# KiCad board d20_tri_r0.3_4x1.kicad_pcb (continued)
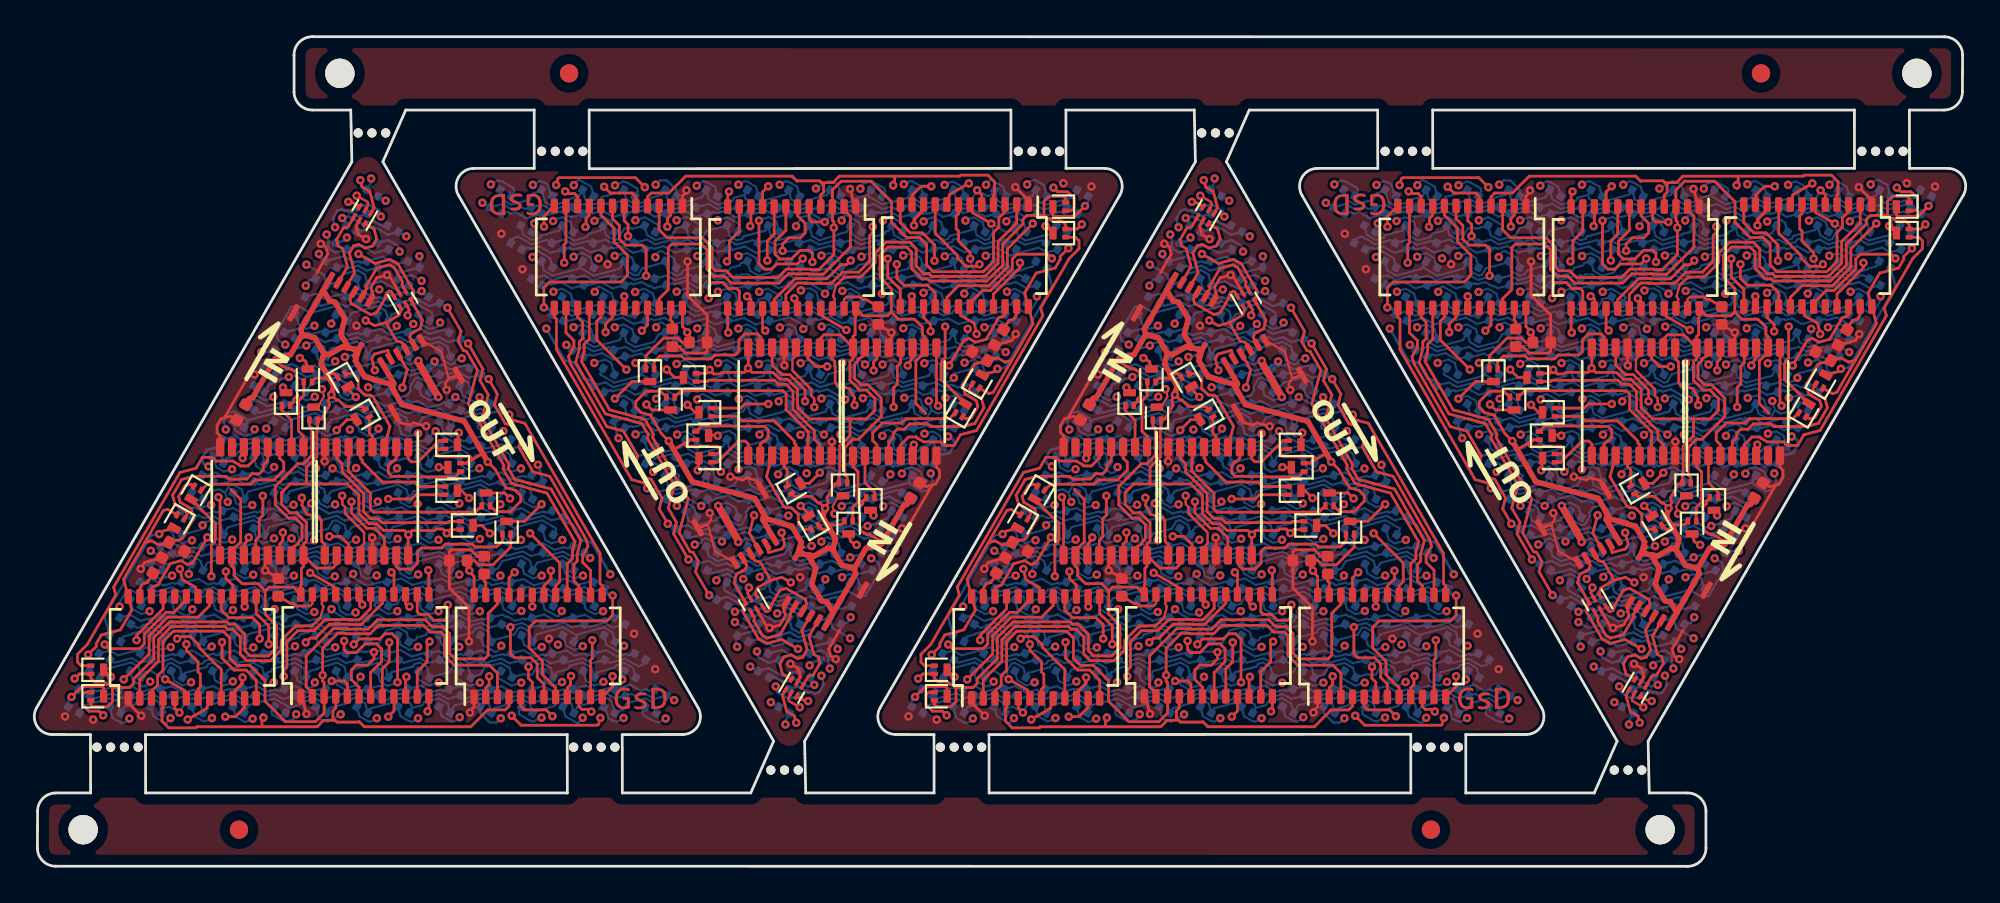
[diagram p0: board, top side]
## Routing (per net, layer and track width the routed paths; a pad name or vN(x,y) marks a point on that pad's centre or on a via; arc(x,y) is an arc through that point) (continued)
colb_13: length 122.9
  Top w0.15: U3#2.18 8.8,15.22 8.08,15.63 7.93,16.2 v1(7.94,16.22) ; U3#4.18 54.8,15.22 54.08,15.63 53.93,16.2 v1(53.94,16.22) ; U3#3.18 96.53,30.04 97.25,29.63 97.4,29.05 v1(97.39,29.03) ; U3.18 50.53,30.04 51.25,29.63 51.4,29.05 v1(51.39,29.03)
  In1.Cu w0.15: v1(15.95,34.46) 15.21,34.27 12.44,29.47 12.91,27.74 14.42,26.86 14.52,26.48 13.87,25.36 11.36,24.68 10.72,24.68 10.32,24.58 7.92,20.41 8.46,18.38 8.12,17.8 8.35,16.94 v1(7.94,16.22) ; v1(61.95,34.46) 61.21,34.27 58.44,29.47 58.91,27.74 60.42,26.86 60.52,26.48 59.87,25.36 57.36,24.68 56.72,24.68 56.32,24.58 53.92,20.41 54.46,18.38 54.12,17.8 54.35,16.94 v1(53.94,16.22) ; v1(89.39,10.79) 90.12,10.99 92.89,15.78 92.42,17.52 90.91,18.39 90.81,18.77 91.46,19.9 93.97,20.57 94.61,20.57 95.01,20.68 97.41,24.84 96.87,26.87 97.21,27.46 96.98,28.32 v1(97.39,29.03) ; v1(43.39,10.79) 44.12,10.99 46.89,15.78 46.42,17.52 44.91,18.39 44.81,18.77 45.46,19.9 47.97,20.57 48.61,20.57 49.01,20.68 51.41,24.84 50.87,26.87 51.21,27.46 50.98,28.32 v1(51.39,29.03)
  Bottom w0.127: D14.2 40.77,11.81 41.48,11.39 D30.2 42.92,11.78 43.23,11.6 43.31,11.28 43.27,11.21 v1(43.39,10.79) ; v1(15.95,34.46) 16.06,34.04 16.02,33.97 16.1,33.66 16.41,33.48 D30#2.2 17.85,33.86 18.56,33.45 D14#2.2 ; v1(61.95,34.46) 62.06,34.04 62.02,33.97 62.1,33.66 62.41,33.48 D30#4.2 63.85,33.86 64.56,33.45 D14#4.2 ; v1(89.39,10.79) 89.27,11.21 89.31,11.28 89.23,11.6 88.92,11.78 D30#3.2 87.48,11.39 86.77,11.81 D14#3.2
colb_14: length 143.8
  Top w0.15: U3#2.19 8.29,14.53 7.61,13.85 7.19,13.85 6,12.66 6,12.13 5.74,11.87 4.07,11.87 v1(3.84,12.1) ; U3#4.19 54.29,14.53 53.61,13.85 53.19,13.85 52,12.66 52,12.13 51.74,11.87 50.07,11.87 v1(49.84,12.1) ; U3#3.19 97.04,30.72 97.72,31.4 98.14,31.4 99.33,32.59 99.33,33.13 99.59,33.39 101.26,33.39 v1(101.49,33.16) ; U3.19 51.04,30.72 51.72,31.4 52.14,31.4 53.33,32.59 53.33,33.13 53.59,33.39 55.26,33.39 v1(55.49,33.16)
  In2.Cu w0.15: v1(3.84,12.1) 3.39,13.79 15.56,34.87 16.12,35.02 v1(16.4,34.86) ; v1(49.84,12.1) 49.39,13.79 61.56,34.87 62.12,35.02 v1(62.4,34.86) ; v1(101.49,33.16) 101.94,31.47 89.77,10.39 89.21,10.24 v1(88.93,10.4) ; v1(42.93,10.4) 43.21,10.24 43.77,10.39 55.94,31.47 v1(55.49,33.16)
  Bottom w0.127: D15.2 41.67,9.8 42.23,9.48 42.4,9.52 42.57,9.42 42.79,9.48 43.05,9.93 v1(42.93,10.4) ; D15#2.2 17.66,35.45 17.1,35.78 16.93,35.73 16.76,35.83 16.54,35.77 16.28,35.32 v1(16.4,34.86) ; D15#3.2 63.66,35.45 63.1,35.78 62.93,35.73 62.76,35.83 62.54,35.77 62.28,35.32 v1(62.4,34.86) ; D15#4.2 87.67,9.8 88.23,9.48 88.4,9.52 88.57,9.42 88.79,9.48 89.05,9.93 v1(88.93,10.4)
colg_0: length 142.7
  Top w0.15: U2#2.5 17.07,9.95 16.91,10.11 v1(16.22,10.11) ; U2#4.5 88.26,35.31 88.42,35.14 v1(89.11,35.14) ; v1(62.22,10.11) 62.91,10.11 63.07,9.95 U2#3.5 ; U2.5 42.26,35.31 42.42,35.14 v1(43.11,35.14)
  Bottom w0.114: D1.3 25.82,35.69 25.97,35.6 26.26,35.68 26.82,35.36 D17.3 27.88,35.49 28.69,35.71 29.24,35.4 D33.3 30.31,35.69 30.45,35.61 31,35.75 31.57,35.42 D49.3 32.21,35.6 32.59,35.7 32.7,35.64 33.23,35.79 33.85,35.43 D65.3 34.81,35.69 34.91,35.63 35.45,35.77 36.07,35.42 D81.3 37.05,35.69 37.18,35.61 37.65,35.74 38.23,35.4 D97.3 39.04,35.54 39.9,35.77 40.52,35.41 D113.3 41.55,35.69 41.71,35.59 42.19,35.72 42.82,35.35 42.83,35.31 v1(43.11,35.14) 43.19,35.17 D129.3 43.53,35.54 44.45,35.78 45.06,35.42 D145.3 46.04,35.68 46.18,35.6 46.66,35.73 47.23,35.4 D161.3 48.29,35.68 48.46,35.58 48.61,35.62 48.68,35.58 49.09,35.7 49.56,35.42 D177.3 50.53,35.68 50.63,35.63 51.24,35.79 51.85,35.43 D193.3 52.6,35.49 53.49,35.73 54.03,35.42 D209.3 54.94,35.44 55.95,35.71 56.4,35.45 D225.3 ; D1#2.3 33.51,9.57 33.36,9.65 33.07,9.57 32.51,9.9 D17#2.3 31.45,9.76 30.64,9.54 30.09,9.86 D33#2.3 29.02,9.57 28.88,9.65 28.33,9.5 27.76,9.83 D49#2.3 27.12,9.65 26.74,9.55 26.63,9.61 26.1,9.47 25.48,9.82 D65#2.3 24.53,9.57 24.42,9.63 23.88,9.48 23.27,9.83 D81#2.3 22.28,9.57 22.15,9.64 21.68,9.52 21.1,9.85 D97#2.3 20.29,9.72 19.43,9.49 18.81,9.84 D113#2.3 17.78,9.57 17.62,9.67 17.14,9.54 16.51,9.9 16.5,9.95 v1(16.22,10.11) 16.14,10.09 D129#2.3 15.8,9.72 14.88,9.48 14.27,9.83 D145#2.3 13.29,9.57 13.15,9.65 12.67,9.52 12.1,9.85 D161#2.3 11.04,9.57 10.87,9.67 10.72,9.63 10.65,9.67 10.24,9.56 9.77,9.83 D177#2.3 8.8,9.57 8.7,9.63 8.1,9.47 7.48,9.82 D193#2.3 6.74,9.76 5.84,9.52 5.3,9.84 D209#2.3 4.4,9.82 3.38,9.55 2.93,9.81 D225#2.3 ; D1#4.3 71.82,35.69 71.97,35.6 72.26,35.68 72.82,35.36 D17#4.3 73.88,35.49 74.69,35.71 75.24,35.4 D33#4.3 76.31,35.69 76.45,35.61 77,35.75 77.57,35.42 D49#3.3 78.21,35.6 78.59,35.7 78.7,35.64 79.23,35.79 79.85,35.43 D65#4.3 80.81,35.69 80.91,35.63 81.45,35.77 82.07,35.42 D81#3.3 83.05,35.69 83.18,35.61 83.65,35.74 84.23,35.4 D97#3.3 85.04,35.54 85.9,35.77 86.52,35.41 D113#4.3 87.55,35.69 87.71,35.59 88.19,35.72 88.82,35.35 88.83,35.31 v1(89.11,35.14) 89.19,35.17 D129#4.3 89.53,35.54 90.45,35.78 91.06,35.42 D145#3.3 92.04,35.68 92.18,35.6 92.66,35.73 93.23,35.4 D161#4.3 94.29,35.68 94.46,35.58 94.61,35.62 94.68,35.58 95.09,35.7 95.56,35.42 D177#3.3 96.53,35.68 96.63,35.63 97.24,35.79 97.85,35.43 D193#4.3 98.6,35.49 99.49,35.73 100.03,35.42 D209#4.3 100.94,35.44 101.95,35.71 102.4,35.45 D225#4.3 ; D225#3.3 48.93,9.81 49.38,9.55 50.4,9.82 D209#3.3 51.3,9.84 51.84,9.52 52.74,9.76 D193#3.3 53.48,9.82 54.1,9.47 54.7,9.63 54.8,9.57 D177#4.3 55.77,9.83 56.24,9.56 56.65,9.67 56.72,9.63 56.87,9.67 57.04,9.57 D161#3.3 58.1,9.85 58.67,9.52 59.15,9.65 59.29,9.57 D145#4.3 60.27,9.83 60.88,9.48 61.8,9.72 D129#3.3 62.14,10.09 v1(62.22,10.11) 62.5,9.95 62.51,9.9 63.14,9.54 63.62,9.67 63.78,9.57 D113#3.3 64.81,9.84 65.43,9.49 66.29,9.72 D97#4.3 67.1,9.85 67.68,9.52 68.15,9.64 68.28,9.57 D81#4.3 69.27,9.83 69.88,9.48 70.42,9.63 70.53,9.57 D65#3.3 71.48,9.82 72.1,9.47 72.63,9.61 72.74,9.55 73.12,9.65 D49#4.3 73.76,9.83 74.33,9.5 74.88,9.65 75.02,9.57 D33#3.3 76.09,9.86 76.64,9.54 77.45,9.76 D17#3.3 78.51,9.9 79.07,9.57 79.36,9.65 79.51,9.57 D1#3.3
colg_1: length 140.2
  Top w0.15: v1(18.52,11.68) 18.52,11.31 18.19,10.97 17.56,10.97 17.3,10.71 17.3,10.18 17.71,9.77 U2#2.6 ; v1(86.81,33.57) 86.81,33.94 87.15,34.28 87.78,34.28 88.04,34.54 88.04,35.07 87.62,35.49 U2#4.6 ; U2#3.6 63.71,9.77 63.3,10.18 63.3,10.71 63.56,10.97 64.19,10.97 64.52,11.31 v1(64.52,11.68) ; v1(40.81,33.57) 40.81,33.94 41.15,34.28 41.78,34.28 42.04,34.54 42.04,35.07 41.62,35.49 U2.6
  Bottom w0.114: D210.3 55.22,33.49 54.77,33.75 53.81,33.49 D194.3 53.39,33.36 53.21,33.32 52.36,33.81 ; D178.3 50.72,33.49 50.14,33.82 49.55,33.66 49.41,33.74 D162.3 48.43,33.48 47.82,33.83 47.3,33.7 47.21,33.75 D146.3 46.17,33.47 45.6,33.81 45.05,33.66 44.92,33.74 D130.3 44.33,33.41 44.09,33.41 44,33.5 43.4,33.84 42.43,33.58 D114.3 41.96,33.55 41.15,33.55 40.94,33.49 v1(40.81,33.57) 40.39,33.46 D98.3 39.37,33.46 38.76,33.81 37.93,33.59 D82.3 37.29,33.5 36.71,33.84 36.06,33.67 35.93,33.74 D66.3 34.94,33.48 34.33,33.83 33.79,33.68 33.68,33.74 D50.3 32.65,33.47 32.04,33.82 31.57,33.7 31.48,33.75 D34.3 31.04,33.67 30.32,33.48 29.85,33.76 29.38,33.63 29.19,33.74 D18.3 28.15,33.47 27.56,33.81 27.06,33.67 26.94,33.74 D2.3 ; D2#2.3 32.39,11.51 32.27,11.58 31.77,11.45 31.18,11.79 D18#2.3 30.14,11.51 29.95,11.62 29.48,11.5 29.01,11.77 28.29,11.58 D34#2.3 27.85,11.5 27.76,11.56 27.29,11.43 26.68,11.79 D50#2.3 25.65,11.51 25.54,11.57 25,11.43 24.39,11.78 D66#2.3 23.4,11.51 23.27,11.59 22.63,11.41 22.04,11.75 D82#2.3 21.4,11.67 20.57,11.45 19.96,11.8 D98#2.3 18.94,11.8 v1(18.52,11.68) 18.39,11.76 18.18,11.7 17.37,11.7 D114#2.3 16.9,11.67 15.93,11.41 15.33,11.76 15.24,11.84 15,11.84 D130#2.3 14.41,11.52 14.28,11.59 13.74,11.45 13.16,11.78 D146#2.3 12.12,11.5 12.03,11.56 11.51,11.42 10.9,11.78 D162#2.3 9.92,11.52 9.78,11.6 9.19,11.44 8.61,11.77 D178#2.3 ; 6.97,11.45 6.12,11.94 5.94,11.89 D194#2.3 5.52,11.76 4.56,11.51 4.11,11.77 D210#2.3 ; D2#4.3 72.94,33.74 73.06,33.67 73.56,33.81 74.15,33.47 D18#4.3 75.19,33.74 75.38,33.63 75.85,33.76 76.32,33.48 77.04,33.67 D34#3.3 77.48,33.75 77.57,33.7 78.04,33.82 78.65,33.47 D50#3.3 79.68,33.74 79.79,33.68 80.33,33.83 80.94,33.48 D66#3.3 81.93,33.74 82.06,33.67 82.71,33.84 83.29,33.5 D82#3.3 83.93,33.59 84.76,33.81 85.37,33.46 D98#3.3 86.39,33.46 v1(86.81,33.57) 86.94,33.49 87.15,33.55 87.96,33.55 D114#3.3 88.43,33.58 89.4,33.84 90,33.5 90.09,33.41 90.33,33.41 D130#4.3 90.92,33.74 91.05,33.66 91.6,33.81 92.17,33.47 D146#3.3 93.21,33.75 93.3,33.7 93.82,33.83 94.43,33.48 D162#4.3 95.41,33.74 95.55,33.66 96.14,33.82 96.72,33.49 D178#3.3 ; 98.36,33.81 99.21,33.32 99.39,33.36 D194#4.3 99.81,33.49 100.77,33.75 101.22,33.49 D210#4.3 ; D2#3.3 78.39,11.51 78.27,11.58 77.77,11.45 77.18,11.79 D18#3.3 76.14,11.51 75.95,11.62 75.48,11.5 75.01,11.77 74.29,11.58 D34#4.3 73.85,11.5 73.76,11.56 73.29,11.43 72.68,11.79 D50#4.3 71.65,11.51 71.54,11.57 71,11.43 70.39,11.78 D66#4.3 69.4,11.51 69.27,11.59 68.63,11.41 68.04,11.75 D82#4.3 67.4,11.67 66.57,11.45 65.96,11.8 D98#4.3 64.94,11.8 v1(64.52,11.68) 64.39,11.76 64.18,11.7 63.37,11.7 D114#4.3 62.9,11.67 61.93,11.41 61.33,11.76 61.24,11.84 61,11.84 D130#3.3 60.41,11.52 60.28,11.59 59.74,11.45 59.16,11.78 D146#4.3 58.12,11.5 58.03,11.56 57.51,11.42 56.9,11.78 D162#3.3 55.92,11.52 55.78,11.6 55.19,11.44 54.61,11.77 D178#4.3 ; 52.97,11.45 52.12,11.94 51.94,11.89 D194#3.3 51.52,11.76 50.56,11.51 50.11,11.77 D210#3.3
  Bottom w0.127: 6.97,11.45 7,11.43 7.57,11.58 7.67,11.52 D178#2.3 ; D178#4.3 53.67,11.52 53.57,11.58 53,11.43 52.97,11.45 ; 98.36,33.81 98.33,33.83 97.76,33.68 97.66,33.74 D178#3.3 ; 52.36,33.81 52.33,33.83 51.76,33.68 51.66,33.74 D178.3
colg_2: length 147.9
  Top w0.15: U2#2.7 18.34,10.57 18.94,11.16 18.94,11.86 18.67,12.13 18.04,12.13 17.56,11.66 17.05,11.66 16.9,11.81 v1(16.9,12.29) ; U2#3.7 64.34,10.57 64.94,11.16 64.94,11.86 64.67,12.13 64.04,12.13 63.56,11.66 63.05,11.66 62.9,11.81 v1(62.9,12.29) ; U2#4.7 86.99,34.68 86.4,34.09 86.4,33.39 86.66,33.12 87.29,33.12 87.77,33.6 88.28,33.6 88.43,33.44 v1(88.43,32.96) ; v1(42.43,32.96) 42.43,33.44 42.28,33.6 41.77,33.6 41.29,33.12 40.66,33.12 40.4,33.39 40.4,34.09 40.99,34.68 U2.7
  In1.Cu w0.15: v1(16.21,14.03) 16.11,13.66 v1(16.9,12.29) ; v1(62.21,14.03) 62.11,13.66 v1(62.9,12.29) ; v1(89.12,31.23) 89.22,31.6 v1(88.43,32.96) ; v1(43.12,31.23) 43.22,31.6 v1(42.43,32.96)
  Bottom w0.114: 28.75,31.85 29.31,31.53 D19.3 30.05,31.65 30.91,31.88 31.52,31.52 D35.3 32.56,31.8 32.66,31.74 33.12,31.87 33.53,31.63 33.59,31.65 33.81,31.53 D51.3 34.81,31.8 34.9,31.74 35.54,31.91 36.16,31.56 D67.3 37.05,31.8 37.15,31.74 37.62,31.87 38.24,31.51 D83.3 39.39,31.7 39.42,31.73 39.99,31.89 40.59,31.54 D99.3 41.29,31.8 41.86,31.8 42.14,31.87 43.1,31.32 v1(43.12,31.23) 43.18,31.24 D115.3 43.79,31.79 43.89,31.74 44.34,31.86 44.95,31.5 D131.3 45.85,31.61 46.76,31.85 47.31,31.53 D147.3 48.29,31.79 48.47,31.69 48.99,31.83 49.52,31.52 D163.3 50.53,31.79 50.66,31.72 51.15,31.85 51.74,31.51 D179.3 ; 53.52,31.87 54.09,31.54 D195.3 ; D179#2.3 7.59,13.74 8.18,13.4 8.67,13.53 8.8,13.46 D163#2.3 9.81,13.73 10.34,13.42 10.87,13.56 11.04,13.46 D147#2.3 12.03,13.72 12.57,13.41 13.48,13.65 D131#2.3 14.38,13.75 14.99,13.4 15.44,13.52 15.54,13.46 D115#2.3 16.15,14.01 v1(16.21,14.03) 16.23,13.93 17.19,13.38 17.47,13.46 18.04,13.46 D99#2.3 18.74,13.72 19.34,13.37 19.91,13.52 19.94,13.55 D83#2.3 21.09,13.74 21.71,13.39 22.18,13.51 22.28,13.46 D67#2.3 23.17,13.7 23.79,13.34 24.43,13.51 24.52,13.46 D51#2.3 25.52,13.73 25.74,13.6 25.8,13.62 26.21,13.39 26.68,13.51 26.77,13.46 D35#2.3 27.81,13.74 28.42,13.38 29.28,13.61 D19#2.3 30.02,13.73 30.58,13.4 ; D195#2.3 5.24,13.71 5.81,13.39 ; 51.81,13.39 51.24,13.71 D195#3.3 ; D179#4.3 53.59,13.74 54.18,13.4 54.67,13.53 54.8,13.46 D163#4.3 55.81,13.73 56.34,13.42 56.87,13.56 57.04,13.46 D147#4.3 58.03,13.72 58.57,13.41 59.48,13.65 D131#3.3 60.38,13.75 60.99,13.4 61.44,13.52 61.54,13.46 D115#4.3 62.15,14.01 v1(62.21,14.03) 62.23,13.93 63.19,13.38 63.47,13.46 64.04,13.46 D99#4.3 64.74,13.72 65.34,13.37 65.91,13.52 65.94,13.55 D83#4.3 67.09,13.74 67.71,13.39 68.18,13.51 68.28,13.46 D67#3.3 69.17,13.7 69.79,13.34 70.43,13.51 70.52,13.46 D51#4.3 71.52,13.73 71.74,13.6 71.8,13.62 72.21,13.39 72.68,13.51 72.77,13.46 D35#3.3 73.81,13.74 74.42,13.38 75.28,13.61 D19#4.3 76.02,13.73 76.58,13.4 ; D179#3.3 97.74,31.51 97.15,31.85 96.66,31.72 96.53,31.79 D163#3.3 95.52,31.52 94.99,31.83 94.47,31.69 94.29,31.79 D147#3.3 93.31,31.53 92.76,31.85 91.85,31.61 D131#4.3 90.95,31.5 90.34,31.86 89.89,31.74 89.79,31.79 D115#3.3 89.18,31.24 v1(89.12,31.23) 89.1,31.32 88.14,31.87 87.86,31.8 87.29,31.8 D99#3.3 86.59,31.54 85.99,31.89 85.42,31.73 85.39,31.7 D83#3.3 84.24,31.51 83.62,31.87 83.15,31.74 83.05,31.8 D67#4.3 82.16,31.56 81.54,31.91 80.9,31.74 80.81,31.8 D51#3.3 79.81,31.53 79.59,31.65 79.53,31.63 79.12,31.87 78.66,31.74 78.56,31.8 D35#4.3 77.52,31.52 76.91,31.88 76.05,31.65 D19#3.3 75.31,31.53 74.75,31.85 ; D195#4.3 100.09,31.54 99.52,31.87
  Bottom w0.127: 30.58,13.4 30.62,13.38 31.15,13.53 31.26,13.46 D3#2.3 ; 5.81,13.39 6.22,13.5 6.25,13.48 6.79,13.62 D179#2.3 ; D3#3.3 77.26,13.46 77.15,13.53 76.62,13.38 76.58,13.4 ; 51.81,13.39 52.22,13.5 52.25,13.48 52.79,13.62 D179#4.3 ; 74.75,31.85 74.71,31.87 74.18,31.73 74.07,31.8 D3#4.3 ; 99.52,31.87 99.11,31.76 99.08,31.78 98.54,31.63 D179#3.3 ; D3.3 28.07,31.8 28.18,31.73 28.71,31.87 28.75,31.85 ; D179.3 52.54,31.63 53.08,31.78 53.11,31.76 53.52,31.87
colg_3: length 137.6
  Top w0.15: U2#2.8 18.98,10.78 19.36,11.15 v1(19.36,12.21) ; U2#3.8 64.98,10.78 65.36,11.15 v1(65.36,12.21) ; U2#4.8 86.35,34.48 85.98,34.1 v1(85.98,33.04) ; v1(39.98,33.04) 39.98,34.1 40.35,34.48 U2.8
  In1.Cu w0.25: v1(19.36,12.21) 18.44,13.8 18.52,14.12 17.64,15.64 17.55,15.67 v1(17.39,15.95) ; v1(63.39,15.95) 63.55,15.67 63.64,15.64 64.52,14.12 64.44,13.8 v1(65.36,12.21) ; v1(85.98,33.04) 86.89,31.45 86.81,31.13 87.69,29.61 87.78,29.59 v1(87.94,29.31) ; v1(41.94,29.31) 41.78,29.59 41.69,29.61 40.81,31.13 40.89,31.45 v1(39.98,33.04)
  Bottom w0.114: D4.3 28.94,29.7 29.74,29.91 30.35,29.56 D20.3 31.15,29.72 31.49,29.81 31.53,29.78 32.08,29.93 32.68,29.58 D36.3 33.68,29.85 33.81,29.78 34.35,29.92 34.94,29.58 D52.3 35.75,29.65 36.57,29.87 37.11,29.56 D68.3 37.92,29.7 38.71,29.91 39.32,29.55 D84.3 40.19,29.69 41.18,29.95 41.87,29.55 v1(41.94,29.31) 42.08,29.34 D100.3 42.67,29.85 42.77,29.79 43.43,29.97 44.04,29.62 D116.3 44.67,29.69 45.51,29.91 46.11,29.57 D132.3 47.16,29.85 47.33,29.75 47.84,29.89 48.39,29.58 D148.3 49.41,29.85 49.51,29.79 49.85,29.89 50.39,29.58 51.22,29.8 D164.3 51.66,29.85 51.75,29.79 52.3,29.94 52.91,29.58 D180.3 ; D4#2.3 30.39,15.56 29.59,15.34 28.98,15.69 D20#2.3 28.18,15.54 27.84,15.45 27.8,15.47 27.25,15.33 26.65,15.67 D36#2.3 25.65,15.4 25.52,15.48 24.98,15.33 24.39,15.67 D52#2.3 23.58,15.6 22.76,15.38 22.22,15.69 D68#2.3 21.41,15.55 20.63,15.34 20.01,15.7 D84#2.3 19.14,15.57 18.15,15.3 17.46,15.71 v1(17.39,15.95) 17.25,15.91 D100#2.3 16.66,15.41 16.56,15.46 15.9,15.28 15.29,15.64 D116#2.3 14.66,15.56 13.82,15.34 13.22,15.69 D132#2.3 12.17,15.41 12,15.5 11.49,15.36 10.94,15.68 D148#2.3 9.92,15.41 9.82,15.46 9.48,15.37 8.94,15.68 8.11,15.45 D164#2.3 7.67,15.41 7.58,15.46 7.03,15.32 6.42,15.67 D180#2.3 ; D4#3.3 74.94,29.7 75.74,29.91 76.35,29.56 D20#3.3 77.15,29.72 77.49,29.81 77.53,29.78 78.08,29.93 78.68,29.58 D36#3.3 79.68,29.85 79.81,29.78 80.35,29.92 80.94,29.58 D52#4.3 81.75,29.65 82.57,29.87 83.11,29.56 D68#3.3 83.92,29.7 84.71,29.91 85.32,29.55 D84#4.3 86.19,29.69 87.18,29.95 87.87,29.55 v1(87.94,29.31) 88.08,29.34 D100#3.3 88.67,29.85 88.77,29.79 89.43,29.97 90.04,29.62 D116#3.3 90.67,29.69 91.51,29.91 92.11,29.57 D132#4.3 93.16,29.85 93.33,29.75 93.84,29.89 94.39,29.58 D148#3.3 95.41,29.85 95.51,29.79 95.85,29.89 96.39,29.58 97.22,29.8 D164#4.3 97.66,29.85 97.75,29.79 98.3,29.94 98.91,29.58 D180#4.3 ; D4#4.3 76.39,15.56 75.59,15.34 74.98,15.69 D20#4.3 74.18,15.54 73.84,15.45 73.8,15.47 73.25,15.33 72.65,15.67 D36#4.3 71.65,15.4 71.52,15.48 70.98,15.33 70.39,15.67 D52#3.3 69.58,15.6 68.76,15.38 68.22,15.69 D68#4.3 67.41,15.55 66.63,15.34 66.01,15.7 D84#3.3 65.14,15.57 64.15,15.3 63.46,15.71 v1(63.39,15.95) 63.25,15.91 D100#4.3 62.66,15.41 62.56,15.46 61.9,15.28 61.29,15.64 D116#4.3 60.66,15.56 59.82,15.34 59.22,15.69 D132#3.3 58.17,15.41 58,15.5 57.49,15.36 56.94,15.68 D148#4.3 55.92,15.41 55.82,15.46 55.48,15.37 54.94,15.68 54.11,15.45 D164#3.3 53.67,15.41 53.58,15.46 53.03,15.32 52.42,15.67 D180#3.3
colg_4: length 149.1
  Top w0.15: v1(40.03,37.09) 39.72,36.78 U2.9 ; U2#2.9 19.61,8.47 v1(19.31,8.16) ; U2#3.9 65.61,8.47 v1(65.31,8.16) ; U2#4.9 85.72,36.78 v1(86.03,37.09)
  In1.Cu w0.15: v1(19.31,8.16) 18.35,9.82 18.5,10.38 17.82,11.55 17.97,12.1 14.74,17.7 v1(14.03,17.89) ; v1(65.31,8.16) 64.35,9.82 64.5,10.38 63.82,11.55 63.97,12.1 60.74,17.7 v1(60.03,17.89) ; v1(86.03,37.09) 86.98,35.43 86.83,34.87 87.51,33.7 87.36,33.16 90.59,27.56 v1(91.3,27.37) ; v1(45.3,27.37) 44.59,27.56 41.36,33.16 41.51,33.7 40.83,34.87 40.98,35.43 v1(40.03,37.09)
  Bottom w0.114: D5.3 30.31,27.91 30.42,27.84 30.97,27.99 31.57,27.64 D21.3 32.3,27.76 33.09,27.97 33.71,27.61 D37.3 34.81,27.91 34.92,27.84 35.38,27.96 35.98,27.62 D53.3 37.05,27.91 37.17,27.84 37.67,27.97 38.27,27.63 D69.3 39.3,27.9 39.47,27.81 40,27.95 40.55,27.64 D85.3 41.55,27.9 41.67,27.83 42.18,27.97 42.76,27.63 D101.3 43.55,27.75 44.39,27.98 45.28,27.47 v1(45.3,27.37) 45.46,27.41 D117.3 46.04,27.9 46.28,27.77 46.94,27.94 47.41,27.67 D133.3 48.29,27.9 48.42,27.83 48.96,27.97 49.55,27.64 D149.3 50.53,27.9 50.63,27.85 51.15,27.99 51.76,27.63 D165.3 ; D165#2.3 7.57,17.63 8.18,17.27 8.7,17.41 8.8,17.35 D149#2.3 9.78,17.62 10.37,17.28 10.91,17.43 11.04,17.35 D133#2.3 11.92,17.59 12.39,17.31 13.05,17.49 13.29,17.35 D117#2.3 13.87,17.85 v1(14.03,17.89) 14.05,17.79 14.94,17.28 15.79,17.51 D101#2.3 16.57,17.63 17.15,17.29 17.66,17.42 17.78,17.35 D85#2.3 18.78,17.62 19.33,17.3 19.86,17.45 20.03,17.35 D69#2.3 21.06,17.63 21.66,17.28 22.16,17.42 22.28,17.35 D53#2.3 23.35,17.64 23.95,17.29 24.41,17.42 24.52,17.35 D37#2.3 25.62,17.64 26.24,17.29 27.03,17.5 D21#2.3 27.76,17.61 28.36,17.26 28.91,17.41 29.02,17.35 D5#2.3 ; D165#4.3 97.76,27.63 97.15,27.99 96.63,27.85 96.53,27.9 D149#3.3 95.55,27.64 94.96,27.97 94.42,27.83 94.29,27.9 D133#4.3 93.41,27.67 92.94,27.94 92.28,27.77 92.04,27.9 D117#3.3 91.46,27.41 v1(91.3,27.37) 91.28,27.47 90.39,27.98 89.55,27.75 D101#3.3 88.76,27.63 88.18,27.97 87.67,27.83 87.55,27.9 D85#3.3 86.55,27.64 86,27.95 85.47,27.81 85.3,27.9 D69#3.3 84.27,27.63 83.67,27.97 83.17,27.84 83.05,27.91 D53#3.3 81.98,27.62 81.38,27.96 80.92,27.84 80.81,27.91 D37#4.3 79.71,27.61 79.09,27.97 78.3,27.76 D21#3.3 77.57,27.64 76.97,27.99 76.42,27.84 76.31,27.91 D5#3.3 ; D165#3.3 53.57,17.63 54.18,17.27 54.7,17.41 54.8,17.35 D149#4.3 55.78,17.62 56.37,17.28 56.91,17.43 57.04,17.35 D133#3.3 57.92,17.59 58.39,17.31 59.05,17.49 59.29,17.35 D117#4.3 59.87,17.85 v1(60.03,17.89) 60.05,17.79 60.94,17.28 61.79,17.51 D101#4.3 62.57,17.63 63.15,17.29 63.66,17.42 63.78,17.35 D85#4.3 64.78,17.62 65.33,17.3 65.86,17.45 66.03,17.35 D69#4.3 67.06,17.63 67.66,17.28 68.16,17.42 68.28,17.35 D53#4.3 69.35,17.64 69.95,17.29 70.41,17.42 70.52,17.35 D37#3.3 71.62,17.64 72.24,17.29 73.03,17.5 D21#4.3 73.76,17.61 74.36,17.26 74.91,17.41 75.02,17.35 D5#4.3
colg_5: length 137.6
  Top w0.15: v1(20.29,10.34) 20.25,10.29 U2#2.10 ; v1(66.29,10.34) 66.25,10.29 U2#3.10 ; v1(85.04,34.92) 85.08,34.96 U2#4.10 ; U2.10 39.08,34.96 v1(39.04,34.92)
  In1.Cu w0.25: v1(20.29,10.34) 20.55,11.3 19.14,13.75 19.18,13.92 16.41,18.73 15.91,18.86 15.42,19.71 v1(15.11,19.8) ; v1(61.11,19.8) 61.42,19.71 61.91,18.86 62.41,18.73 65.18,13.92 65.14,13.75 66.55,11.3 v1(66.29,10.34) ; v1(85.04,34.92) 84.78,33.95 86.19,31.5 86.15,31.33 88.92,26.52 89.42,26.39 89.91,25.54 v1(90.22,25.46) ; v1(39.04,34.92) 38.78,33.95 40.19,31.5 40.15,31.33 42.92,26.52 43.42,26.39 43.91,25.54 v1(44.22,25.46)
  Bottom w0.114: v1(44.22,25.46) 44.35,25.49 D102.3 44.92,25.96 45.01,25.9 45.67,26.08 46.29,25.72 D118.3 47.16,25.96 47.26,25.9 47.87,26.07 48.49,25.71 D134.3 49.41,25.96 49.51,25.9 49.97,26.03 49.98,26.02 ; D150.3 50.59,25.67 ; 41.59,25.81 41.31,25.97 40.33,25.71 D70.3 39.32,25.66 38.74,26 38.31,25.88 38.18,25.96 D54.3 37.14,25.68 36.58,26 36.13,25.88 35.97,25.97 D38.3 34.94,25.69 34.35,26.03 33.81,25.89 33.68,25.96 D22.3 32.78,25.72 32.16,26.07 31.54,25.9 31.44,25.96 D6.3 ; D150#2.3 8.74,19.58 ; D6#2.3 27.89,19.29 27.79,19.35 27.17,19.18 26.56,19.54 D22#2.3 25.65,19.29 25.52,19.37 24.98,19.22 24.39,19.56 D38#2.3 23.36,19.28 23.2,19.37 22.75,19.25 22.19,19.57 D54#2.3 21.15,19.3 21.02,19.37 20.59,19.26 20.01,19.59 D70#2.3 19,19.54 18.02,19.28 17.74,19.45 ; v1(15.11,19.8) 14.98,19.76 D102#2.3 14.41,19.3 14.32,19.35 13.66,19.17 13.04,19.53 D118#2.3 12.17,19.3 12.07,19.35 11.46,19.19 10.84,19.55 D134#2.3 9.92,19.3 9.82,19.35 9.36,19.23 9.35,19.23 ; 55.35,19.23 55.36,19.23 55.82,19.35 55.92,19.3 D134#3.3 56.84,19.55 57.46,19.19 58.07,19.35 58.17,19.3 D118#4.3 59.04,19.53 59.66,19.17 60.32,19.35 60.41,19.3 D102#4.3 60.98,19.76 v1(61.11,19.8) ; 63.74,19.45 64.02,19.28 65,19.54 D70#4.3 66.01,19.59 66.59,19.26 67.02,19.37 67.15,19.3 D54#4.3 68.19,19.57 68.75,19.25 69.2,19.37 69.36,19.28 D38#3.3 70.39,19.56 70.98,19.22 71.52,19.37 71.65,19.29 D22#3.3 72.56,19.54 73.17,19.18 73.79,19.35 73.89,19.29 D6#3.3 ; D150#4.3 54.74,19.58 ; D150#3.3 96.59,25.67 ; D6#4.3 77.44,25.96 77.54,25.9 78.16,26.07 78.78,25.72 D22#4.3 79.68,25.96 79.81,25.89 80.35,26.03 80.94,25.69 D38#4.3 81.97,25.97 82.13,25.88 82.58,26 83.14,25.68 D54#3.3 84.18,25.96 84.31,25.88 84.74,26 85.32,25.66 D70#3.3 86.33,25.71 87.31,25.97 87.59,25.81 ; v1(90.22,25.46) 90.35,25.49 D102#3.3 90.92,25.96 91.01,25.9 91.67,26.08 92.29,25.72 D118#3.3 93.16,25.96 93.26,25.9 93.87,26.07 94.49,25.71 D134#4.3 95.41,25.96 95.51,25.9 95.97,26.03 95.98,26.02
  Bottom w0.127: v1(44.22,25.46) 43.26,26.02 42.79,25.89 42.67,25.96 D86.3 41.76,25.71 41.59,25.81 ; v1(15.11,19.8) 16.07,19.24 16.54,19.36 16.66,19.3 D86#2.3 17.57,19.54 17.74,19.45 ; 8.74,19.58 9.35,19.23 ; v1(61.11,19.8) 62.07,19.24 62.54,19.36 62.66,19.3 D86#4.3 63.57,19.54 63.74,19.45 ; 54.74,19.58 55.35,19.23 ; v1(90.22,25.46) 89.26,26.02 88.79,25.89 88.67,25.96 D86#3.3 87.76,25.71 87.59,25.81 ; 96.59,25.67 95.98,26.02 ; 50.59,25.67 49.98,26.02
colg_6: length 136.3
  Top w0.15: U2.11 38.45,34.64 37.91,34.1 37.91,33.03 ; U2#2.11 20.88,10.61 21.42,11.15 21.42,12.22 ; U2#4.11 84.45,34.64 83.91,34.1 83.91,33.03 ; U2#3.11 66.88,10.61 67.42,11.15 67.42,12.22
  In1.Cu w0.15: v1(16.27,21.7) 16.55,21.54 16.67,21.57 17.57,21.06 18.71,19.08 18.67,18.96 21.57,13.94 21.26,12.78 v1(21.56,12.26) ; v1(89.06,23.55) 88.78,23.71 88.66,23.68 87.76,24.2 86.62,26.17 86.66,26.3 83.76,31.31 84.07,32.47 v1(83.77,32.99) ; v1(67.56,12.26) 67.26,12.78 67.57,13.94 64.67,18.96 64.71,19.08 63.57,21.06 62.67,21.57 62.55,21.54 v1(62.27,21.7) ; v1(37.77,32.99) 38.07,32.47 37.76,31.31 40.66,26.3 40.62,26.17 41.76,24.2 42.66,23.68 42.78,23.71 v1(43.06,23.55)
  Bottom w0.114: D135.3 50.1,23.96 49.42,23.78 48.89,24.09 48.03,23.86 D119.3 47.42,23.78 46.81,24.13 46.15,23.95 46.04,24.01 D103.3 ; D71.3 40.58,23.75 40.02,24.08 39.45,23.93 39.3,24.01 D55.3 38.43,23.78 37.81,24.14 37.15,23.96 37.05,24.01 D39.3 36.18,23.78 35.56,24.14 34.9,23.96 34.81,24.02 D23.3 33.88,23.77 33.27,24.12 32.66,23.96 32.56,24.02 D7.3 ; D135#2.3 9.23,21.29 9.91,21.47 10.44,21.16 11.3,21.39 D119#2.3 11.91,21.48 12.52,21.13 13.18,21.31 13.29,21.24 D103#2.3 ; D7#2.3 26.77,21.24 26.67,21.29 26.06,21.13 25.45,21.49 D23#2.3 24.52,21.24 24.43,21.3 23.77,21.12 23.15,21.47 D39#2.3 22.28,21.24 22.18,21.3 21.52,21.12 20.9,21.47 D55#2.3 20.03,21.24 19.88,21.33 19.31,21.18 18.75,21.5 D71#2.3 ; D103#4.3 59.29,21.24 59.18,21.31 58.52,21.13 57.91,21.48 D119#4.3 57.3,21.39 56.44,21.16 55.91,21.47 55.23,21.29 D135#4.3 ; D71#4.3 64.75,21.5 65.31,21.18 65.88,21.33 66.03,21.24 D55#3.3 66.9,21.47 67.52,21.12 68.18,21.3 68.28,21.24 D39#4.3 69.15,21.47 69.77,21.12 70.43,21.3 70.52,21.24 D23#3.3 71.45,21.49 72.06,21.13 72.67,21.29 72.77,21.24 D7#3.3 ; D135#3.3 96.1,23.96 95.42,23.78 94.89,24.09 94.03,23.86 D119#3.3 93.42,23.78 92.81,24.13 92.15,23.95 92.04,24.01 D103#3.3 ; D7#4.3 78.56,24.02 78.66,23.96 79.27,24.12 79.88,23.77 D23#4.3 80.81,24.02 80.9,23.96 81.56,24.14 82.18,23.78 D39#3.3 83.05,24.01 83.15,23.96 83.81,24.14 84.43,23.78 D55#4.3 85.3,24.01 85.45,23.93 86.02,24.08 86.58,23.75 D71#3.3
  Bottom w0.127: D71.3 41.33,23.84 42.17,24.07 v1(43.06,23.55) 43.46,23.95 44.61,23.95 44.65,23.91 44.97,23.72 D103.3 ; D71#2.3 18,21.41 17.16,21.19 v1(16.27,21.7) 15.87,21.3 14.72,21.3 14.68,21.35 14.36,21.53 D103#2.3 ; D71#3.3 87.33,23.84 88.17,24.07 v1(89.06,23.55) 89.46,23.95 90.61,23.95 90.65,23.91 90.97,23.72 D103#3.3 ; D103#4.3 60.36,21.53 60.68,21.35 60.72,21.3 61.87,21.3 v1(62.27,21.7) 63.16,21.19 64,21.41 D71#4.3
colg_7: length 189.1
  Top w0.15: v1(33.3,37.04) 32.78,37.56 28.64,37.56 28.55,37.51 v1(28.46,37.16) ; U2.12 37.81,36.73 v1(37.88,36.8) ; v1(21.45,8.45) 21.52,8.53 U2#2.12 ; v1(26.04,8.21) 26.56,7.69 30.69,7.69 30.78,7.75 v1(30.87,8.1) ; v1(76.87,8.1) 76.78,7.75 76.69,7.69 72.56,7.69 v1(72.04,8.21) ; v1(83.88,36.8) 83.81,36.73 U2#4.12 ; v1(79.3,37.04) 78.78,37.56 74.64,37.56 74.55,37.51 v1(74.46,37.16) ; v1(67.45,8.45) 67.52,8.53 U2#3.12
  In1.Cu w0.15: 28.26,37.17 28.04,36.79 28.1,36.58 33.08,27.95 33.12,27.94 36.5,22.07 36.51,22.06 v1(37.44,21.52) ; 31.07,8.08 31.29,8.46 31.23,8.68 26.25,17.31 26.21,17.32 22.83,23.18 22.83,23.19 v1(21.89,23.73) ; v1(67.89,23.73) 68.83,23.19 68.83,23.18 72.21,17.32 72.25,17.31 77.23,8.68 77.29,8.46 77.07,8.08 ; 74.26,37.17 74.04,36.79 74.1,36.58 79.08,27.95 79.12,27.94 82.5,22.07 82.51,22.06 v1(83.44,21.52)
  In2.Cu w0.15: v1(26.04,8.21) 25.72,8.53 25,8.53 24.16,7.7 22.2,7.7 v1(21.45,8.45) ; v1(72.04,8.21) 71.72,8.53 71,8.53 70.16,7.7 68.2,7.7 v1(67.45,8.45) ; v1(79.3,37.04) 79.61,36.72 80.33,36.72 81.17,37.56 83.13,37.56 v1(83.88,36.8) ; v1(33.3,37.04) 33.61,36.72 34.33,36.72 35.17,37.56 37.13,37.56 v1(37.88,36.8)
  Bottom w0.114: D56.3 39.48,21.82 38.86,22.17 38.32,22.03 38.22,22.08 D40.3 37.58,21.56 v1(37.44,21.52) 37.43,21.57 36.46,22.13 36.03,22.01 35.93,22.07 D24.3 34.83,21.77 34.43,22.01 34,21.89 33.68,22.07 D8.3 ; D104.3 47.07,21.82 47.93,22.05 48.38,21.79 D120.3 ; D104#2.3 12.26,23.43 11.4,23.21 10.95,23.47 D120#2.3 ; D8#2.3 25.65,23.18 25.33,23.37 24.9,23.25 24.5,23.48 D24#2.3 23.4,23.19 23.3,23.24 22.87,23.12 21.9,23.68 v1(21.89,23.73) 21.75,23.7 D40#2.3 21.11,23.17 21.01,23.23 20.47,23.08 19.85,23.44 D56#2.3 ; D104#3.3 93.07,21.82 93.93,22.05 94.38,21.79 D120#3.3 ; D8#4.3 79.68,22.07 80,21.89 80.43,22.01 80.83,21.77 D24#4.3 81.93,22.07 82.03,22.01 82.46,22.13 83.43,21.57 v1(83.44,21.52) 83.58,21.56 D40#4.3 84.22,22.08 84.32,22.03 84.86,22.17 85.48,21.82 D56#4.3 ; D120#4.3 56.95,23.47 57.4,23.21 58.26,23.43 D104#4.3 ; D8#3.3 71.65,23.18 71.33,23.37 70.9,23.25 70.5,23.48 D24#3.3 69.4,23.19 69.3,23.24 68.87,23.12 67.9,23.68 v1(67.89,23.73) 67.75,23.7 D40#3.3 67.11,23.17 67.01,23.23 66.47,23.08 65.85,23.44 D56#3.3
  Bottom w0.127: D56.3 40.33,21.82 41.34,22.09 41.79,21.83 D72.3 42.58,21.82 43.59,22.09 44.04,21.83 D88.3 44.83,21.82 45.64,22.04 46.09,21.78 D104.3 ; D104#2.3 13.24,23.47 13.69,23.21 14.5,23.43 D88#2.3 15.29,23.42 15.74,23.16 16.75,23.43 D72#2.3 17.54,23.42 17.99,23.16 19,23.43 D56#2.3 ; D104#3.3 92.09,21.78 91.64,22.04 90.83,21.82 D88#4.3 90.04,21.83 89.59,22.09 88.58,21.82 D72#3.3 87.79,21.83 87.34,22.09 86.33,21.82 D56#4.3 ; D104#4.3 59.24,23.47 59.69,23.21 60.5,23.43 D88#3.3 61.29,23.42 61.74,23.16 62.75,23.43 D72#4.3 63.54,23.42 63.99,23.16 65,23.43 D56#3.3
